# KiCad board V1.1_XT30_version.kicad_pcb (continued)
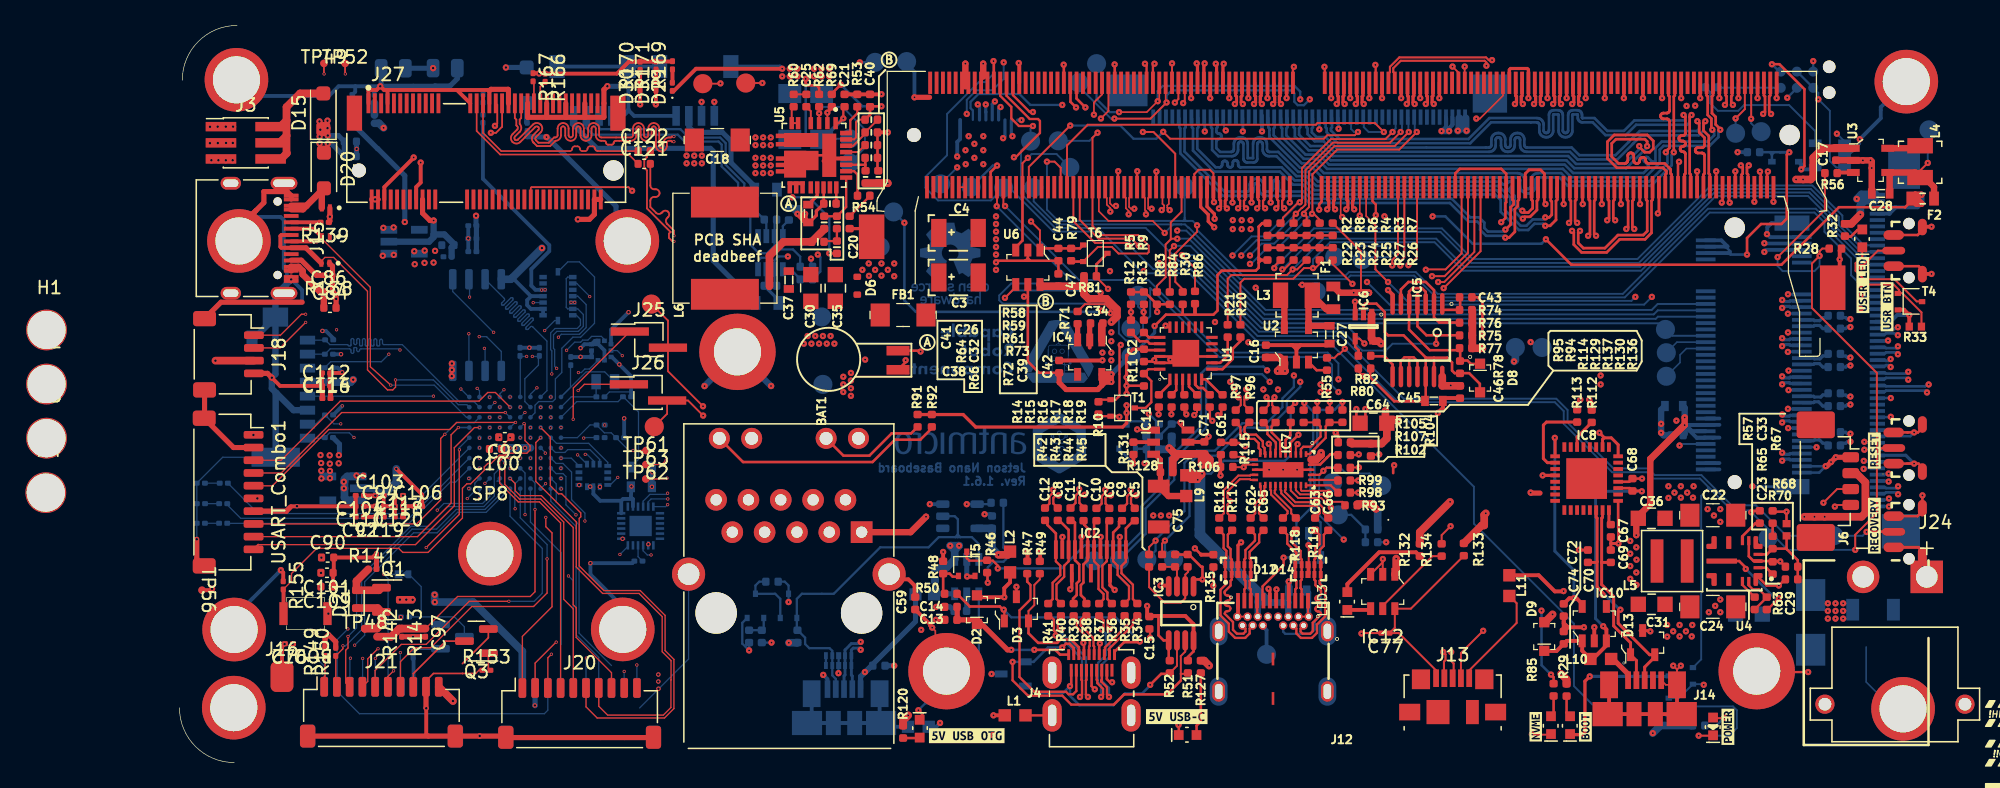
[diagram p0: board, top side]
## Routing (per net, layer and track width the routed paths; a pad name or vN(x,y) marks a point on that pad's centre or on a via; arc(x,y) is an arc through that point) (continued)
PCIE0_TX1_P: length 66.2
  Top w0.25: v1(90.16,43.46) 90.29,43.59 90.29,44.12 90.23,44.19 M1.142
  In3_SIGNAL.Cu w0.185: v1(90.16,43.46) 90.32,43.31 90.32,42.76 91.82,41.25 98.79,41.25 104.94,35.11 109.52,35.11 109.55,35.1 109.58,35.09 109.6,35.08 109.62,35.06 109.64,35.03 109.65,35 109.65,34.98 109.65,34.8 109.66,34.7 109.69,34.62 109.74,34.54 109.81,34.47 109.88,34.42 109.97,34.39 110.06,34.38 110.23,34.38 110.32,34.39 110.41,34.42 110.48,34.47 110.55,34.54 110.6,34.62 110.63,34.7 110.64,34.8 110.64,35.7 110.64,35.73 110.65,35.76 110.67,35.78 110.69,35.8 110.71,35.82 110.74,35.83 110.77,35.83 110.88,35.83 110.91,35.83 110.94,35.82 110.96,35.8 110.98,35.78 111,35.76 111.01,35.73 111.01,35.7 111.01,34.8 111.02,34.7 111.05,34.62 111.1,34.54 111.17,34.47 111.24,34.42 111.33,34.39 111.42,34.38 111.59,34.38 111.68,34.39 111.77,34.42 111.84,34.47 111.91,34.54 111.96,34.62 111.99,34.7 112,34.8 112,35.7 112,35.73 112.01,35.76 112.03,35.78 112.05,35.8 112.07,35.82 112.1,35.83 112.13,35.83 112.24,35.83 112.27,35.83 112.3,35.82 112.32,35.8 112.34,35.78 112.36,35.76 112.37,35.73 112.37,35.7 112.37,34.8 112.38,34.7 112.41,34.62 112.46,34.54 112.53,34.47 112.6,34.42 112.69,34.39 112.78,34.38 112.95,34.38 113.04,34.39 113.13,34.42 113.2,34.47 113.27,34.54 113.32,34.62 113.35,34.7 113.36,34.8 113.36,35.7 113.36,35.73 113.37,35.76 113.39,35.78 113.41,35.8 113.43,35.82 113.46,35.83 113.49,35.83 113.6,35.83 113.63,35.83 113.66,35.82 113.68,35.8 113.7,35.78 113.72,35.76 113.73,35.73 113.73,35.7 113.73,34.8 113.74,34.7 113.77,34.62 113.82,34.54 113.89,34.47 113.96,34.42 114.05,34.39 114.14,34.38 114.31,34.38 114.4,34.39 114.49,34.42 114.56,34.47 114.63,34.54 114.68,34.62 114.71,34.7 114.72,34.8 114.72,35.7 114.72,35.73 114.73,35.76 114.75,35.78 114.77,35.8 114.79,35.82 114.82,35.83 114.85,35.83 114.96,35.83 114.99,35.83 115.02,35.82 115.04,35.8 115.06,35.78 115.08,35.76 115.09,35.73 115.09,35.7 115.09,34.8 115.1,34.7 115.13,34.62 115.18,34.54 115.25,34.47 115.32,34.42 115.41,34.39 115.5,34.38 115.67,34.38 115.76,34.39 115.85,34.42 115.92,34.47 115.99,34.54 116.04,34.62 116.07,34.7 116.08,34.8 116.08,35.7 116.08,35.73 116.09,35.76 116.11,35.78 116.13,35.8 116.15,35.82 116.18,35.83 116.21,35.83 116.32,35.83 116.35,35.83 116.38,35.82 116.4,35.8 116.42,35.78 116.44,35.76 116.45,35.73 116.45,35.7 116.45,34.8 116.46,34.7 116.49,34.62 116.54,34.54 116.61,34.47 116.68,34.42 116.77,34.39 116.86,34.38 117.03,34.38 117.12,34.39 117.21,34.42 117.28,34.47 117.35,34.54 117.4,34.62 117.43,34.7 117.44,34.8 117.46,35.7 117.46,35.73 117.47,35.76 117.48,35.78 117.5,35.8 117.53,35.82 117.56,35.83 117.59,35.83 117.7,35.83 117.73,35.83 117.75,35.82 117.78,35.8 117.8,35.78 117.81,35.76 117.82,35.73 117.83,35.7 117.83,35.52 117.84,35.43 117.87,35.34 117.92,35.26 117.98,35.2 118.06,35.15 118.15,35.12 118.24,35.11 119.99,35.11 123.73,31.36 127.12,31.36 128.28,32.52 129.86,32.52 129.9,32.51 129.94,32.5 129.97,32.48 130,32.45 130.03,32.41 130.04,32.38 130.04,32.33 130.04,32.29 130.05,32.25 130.06,32.21 130.08,32.17 130.11,32.14 130.15,32.12 130.19,32.11 130.23,32.1 130.27,32.11 130.31,32.12 130.34,32.14 130.37,32.17 130.4,32.21 130.41,32.25 130.41,32.29 130.41,32.33 130.42,32.38 130.43,32.41 130.45,32.45 130.48,32.48 130.52,32.5 130.56,32.51 130.6,32.52 131.49,32.52 131.84,32.17 131.84,31.83 131.68,31.66 131.43,31.66 v1(131.27,31.82)
  Bottom w0.25: v1(131.27,31.82) 131.03,31.82 130.91,31.94 130.49,31.94
PCIE0_TX2_N: length 65.5
  Top w0.18: M1.148 86.73,44.24 86.63,44.14 86.63,43.71 v1(86.79,43.55)
  In3_SIGNAL.Cu w0.185: v1(131.27,28.13) 131.43,28.29 131.81,28.29 132.15,28.63 132.15,29.23 131.58,29.81 128.01,29.81 126.9,28.69 123.04,28.69 121.73,30.01 121.73,31.87 119.74,33.85 119.41,33.85 119.37,33.85 119.33,33.87 119.29,33.89 119.26,33.92 119.24,33.95 119.23,33.99 119.22,34.03 119.22,34.3 119.21,34.41 119.18,34.5 119.12,34.59 119.05,34.67 118.96,34.72 118.86,34.76 118.76,34.77 118.7,34.77 118.6,34.76 118.5,34.72 118.41,34.67 118.34,34.59 118.28,34.5 118.25,34.41 118.23,34.3 118.23,33.16 118.23,33.12 118.22,33.08 118.19,33.05 118.16,33.02 118.13,33 118.09,32.98 118.05,32.98 118.01,32.98 117.97,33 117.93,33.02 117.9,33.05 117.88,33.08 117.87,33.12 117.86,33.16 117.86,33.38 117.85,33.49 117.82,33.58 117.76,33.67 117.69,33.75 117.6,33.8 117.5,33.84 117.4,33.85 117.34,33.85 117.24,33.84 117.14,33.8 117.05,33.75 116.98,33.67 116.92,33.58 116.89,33.49 116.87,33.38 116.87,33.16 116.87,33.12 116.86,33.08 116.83,33.05 116.8,33.02 116.77,33 116.73,32.98 116.69,32.98 116.65,32.98 116.61,33 116.57,33.02 116.54,33.05 116.52,33.08 116.51,33.12 116.5,33.16 116.5,33.38 116.49,33.49 116.46,33.58 116.4,33.67 116.33,33.75 116.24,33.8 116.14,33.84 116.04,33.85 116.04,33.85 115.94,33.84 115.84,33.8 115.75,33.75 115.68,33.67 115.62,33.58 115.59,33.49 115.57,33.38 115.57,33.16 115.57,33.12 115.56,33.08 115.53,33.05 115.5,33.02 115.47,33 115.43,32.98 115.39,32.98 115.35,32.98 115.31,33 115.27,33.02 115.24,33.05 115.22,33.08 115.21,33.12 115.2,33.16 115.2,33.38 115.19,33.49 115.16,33.58 115.1,33.67 115.03,33.75 114.94,33.8 114.84,33.84 114.74,33.85 114.74,33.85 114.64,33.84 114.54,33.8 114.45,33.75 114.38,33.67 114.32,33.58 114.29,33.49 114.27,33.38 114.27,33.16 114.27,33.12 114.26,33.08 114.23,33.05 114.2,33.02 114.17,33 114.13,32.98 114.09,32.98 114.05,32.98 114.01,33 113.97,33.02 113.94,33.05 113.92,33.08 113.91,33.12 113.9,33.16 113.9,33.38 113.89,33.49 113.86,33.58 113.8,33.67 113.73,33.75 113.64,33.8 113.54,33.84 113.44,33.85 113.44,33.85 113.34,33.84 113.24,33.8 113.15,33.75 113.08,33.67 113.02,33.58 112.99,33.49 112.97,33.38 112.97,33.16 112.97,33.12 112.96,33.08 112.93,33.05 112.9,33.02 112.87,33 112.83,32.98 112.79,32.98 112.75,32.98 112.71,33 112.67,33.02 112.64,33.05 112.62,33.08 112.61,33.12 112.6,33.16 112.6,33.38 112.59,33.49 112.56,33.58 112.5,33.67 112.43,33.75 112.34,33.8 112.24,33.84 112.14,33.85 105.36,33.85 98.47,40.74 98.41,40.74 98.38,40.77 88.96,40.77 86.63,43.1 86.63,43.39 v1(86.79,43.55)
  Bottom w0.25: 130.49,28.01 130.91,28.01 131.03,28.13 v1(131.27,28.13)
PCIE0_TX2_P: length 65.2
  Top w0.18: v1(86.16,43.55) 86.32,43.71 86.32,44.14 86.23,44.24 86.23,45.2
  In3_SIGNAL.Cu w0.185: 116.05,33.53 116.09,33.52 116.12,33.5 116.15,33.47 116.18,33.43 116.19,33.39 116.19,33.35 116.19,33.13 116.21,33.03 116.24,32.93 116.3,32.84 116.37,32.77 116.46,32.71 116.56,32.68 116.66,32.67 116.72,32.67 116.82,32.68 116.92,32.71 117.01,32.77 117.08,32.84 117.14,32.93 117.17,33.03 117.18,33.13 117.18,33.35 117.19,33.39 117.2,33.43 117.22,33.47 117.25,33.5 117.29,33.52 117.33,33.53 117.37,33.54 117.41,33.53 117.45,33.52 117.48,33.5 117.51,33.47 117.54,33.43 117.55,33.39 117.55,33.35 117.55,33.13 117.57,33.03 117.6,32.93 117.66,32.84 117.73,32.77 117.82,32.71 117.92,32.68 118.02,32.67 118.08,32.67 118.18,32.68 118.28,32.71 118.37,32.77 118.44,32.84 118.5,32.93 118.53,33.03 118.54,33.13 118.54,34.27 118.55,34.31 118.56,34.35 118.58,34.39 118.61,34.42 118.65,34.44 118.69,34.45 118.73,34.46 118.77,34.45 118.81,34.44 118.84,34.42 118.87,34.39 118.9,34.35 118.91,34.31 118.91,34.27 118.91,34 118.93,33.9 118.96,33.8 119.02,33.71 119.09,33.64 119.18,33.58 119.28,33.55 119.38,33.54 119.62,33.54 121.42,31.74 121.42,29.88 122.91,28.38 127.09,28.38 128.2,29.5 129.27,29.5 129.3,29.49 129.33,29.48 129.35,29.47 129.37,29.45 129.39,29.43 129.39,29.4 129.4,29.35 129.41,29.32 129.42,29.3 129.44,29.28 129.47,29.26 129.49,29.25 129.52,29.25 129.64,29.25 129.67,29.25 129.7,29.26 129.72,29.28 129.74,29.3 129.76,29.32 129.76,29.35 129.77,29.4 129.78,29.43 129.79,29.45 129.81,29.47 129.84,29.48 129.86,29.49 129.89,29.5 131.45,29.5 131.84,29.1 131.84,28.76 131.68,28.6 131.43,28.6 v1(131.27,28.75) ; v1(86.16,43.55) 86.32,43.39 86.32,42.97 88.86,40.43 98.35,40.43 105.24,33.54 112.11,33.54 112.15,33.53 112.19,33.52 112.22,33.5 112.25,33.47 112.28,33.43 112.29,33.39 112.29,33.35 112.29,33.13 112.31,33.03 112.34,32.93 112.4,32.84 112.47,32.77 112.56,32.71 112.66,32.68 112.76,32.67 112.82,32.67 112.92,32.68 113.02,32.71 113.11,32.77 113.18,32.84 113.24,32.93 113.27,33.03 113.28,33.13 113.28,33.35 113.29,33.39 113.3,33.43 113.32,33.47 113.35,33.5 113.39,33.52 113.43,33.53 ; 116.03,33.53 115.99,33.52 115.95,33.5 115.92,33.47 115.9,33.43 115.89,33.39 115.88,33.35 115.88,33.13 115.87,33.03 115.84,32.93 115.78,32.84 115.71,32.77 115.62,32.71 115.52,32.68 115.42,32.67 115.36,32.67 115.26,32.68 115.16,32.71 115.07,32.77 115,32.84 114.94,32.93 114.91,33.03 114.89,33.13 114.89,33.35 114.89,33.39 114.88,33.43 114.85,33.47 114.82,33.5 114.79,33.52 114.75,33.53 ; 113.45,33.53 113.49,33.52 113.52,33.5 113.55,33.47 113.58,33.43 113.59,33.39 113.59,33.35 113.59,33.13 113.61,33.03 113.64,32.93 113.7,32.84 113.77,32.77 113.86,32.71 113.96,32.68 114.06,32.67 114.12,32.67 114.22,32.68 114.32,32.71 114.41,32.77 114.48,32.84 114.54,32.93 114.57,33.03 114.58,33.13 114.58,33.35 114.59,33.39 114.6,33.43 114.62,33.47 114.65,33.5 114.69,33.52 114.73,33.53
  Bottom w0.25: v1(131.27,28.75) 131.03,28.75 130.91,28.87 130.49,28.87
PCIE0_TX3_N: length 66
  Top w0.18: 85.23,45.2 85.23,44.24 85.13,44.14 85.13,43.71 v1(85.29,43.55)
  In3_SIGNAL.Cu w0.18: 108.44,32.64 108.44,31.69 108.44,31.68 108.44,31.67
  In3_SIGNAL.Cu w0.185: 108.44,31.67 108.43,31.64 108.41,31.62 108.39,31.59 108.36,31.58 108.33,31.57 108.3,31.56 108.21,31.56 108.18,31.57 108.15,31.58 108.12,31.59 108.1,31.62 108.09,31.64 108.07,31.67 108.07,31.71 108.07,32.64 108.06,32.73 108.03,32.82 107.98,32.91 107.91,32.97 107.83,33.02 107.74,33.06 107.64,33.07 107.51,33.07 107.41,33.06 107.32,33.02 107.24,32.97 107.17,32.91 107.12,32.82 107.09,32.73 107.08,32.64 107.08,31.71 107.08,31.67 107.07,31.64 107.05,31.62 107.03,31.59 107,31.58 106.97,31.57 106.94,31.56 106.85,31.56 106.82,31.57 106.79,31.58 106.76,31.59 106.74,31.62 106.73,31.64 106.71,31.67 106.71,31.71 106.71,31.89 106.7,31.98 106.67,32.07 106.62,32.15 106.55,32.22 106.47,32.27 106.38,32.3 106.28,32.31 105.52,32.31 97.99,39.85 96.87,39.85 96.87,39.85 96.22,39.85 96.22,39.85 88.43,39.85 85.13,43.15 85.13,43.39 v1(85.29,43.55) ; 108.44,32.64 108.45,32.73 108.48,32.82 108.54,32.91 108.6,32.97 108.68,33.02 108.77,33.06 108.87,33.07 109,33.07 109.1,33.06 109.19,33.02 109.27,32.97 109.34,32.91 109.39,32.82 109.42,32.73 109.43,32.64 109.43,32.46 109.44,32.43 109.45,32.4 109.46,32.37 109.49,32.35 109.51,32.33 109.54,32.32 109.58,32.31 119.36,32.31 120.69,30.98 120.69,28.82 124.04,25.47 126.65,25.47 128.1,26.91 131.55,26.91 132.15,26.31 132.15,25.71 131.81,25.37 131.43,25.37 v1(131.27,25.21)
  Bottom w0.25: 130.49,25.09 130.91,25.09 131.03,25.21 v1(131.27,25.21)
PCIE0_TX3_P: length 67
  Top w0.18: v1(84.66,43.55) 84.82,43.71 84.82,44.14 84.73,44.24 M1.156
  In3_SIGNAL.Cu w0.18: 108.76,32.64 108.76,31.68 ; 108.76,31.68 108.75,31.68 ; 108.76,31.68 108.76,32.61 108.75,32.61
  In3_SIGNAL.Cu w0.185: 108.75,31.68 108.74,31.58 108.71,31.49 108.66,31.41 108.59,31.34 108.51,31.29 108.42,31.26 108.32,31.25 108.19,31.25 108.09,31.26 108,31.29 107.92,31.34 107.85,31.41 107.8,31.49 107.77,31.58 107.76,31.68 107.76,32.61 107.76,32.64 107.75,32.68 107.73,32.7 107.71,32.73 107.68,32.74 107.65,32.75 107.62,32.76 107.53,32.76 107.5,32.75 107.47,32.74 107.44,32.73 107.42,32.7 107.41,32.68 107.39,32.64 107.39,32.61 107.39,31.68 107.38,31.58 107.35,31.49 107.3,31.41 107.23,31.34 107.15,31.29 107.06,31.26 106.96,31.25 106.83,31.25 106.73,31.26 106.64,31.29 106.56,31.34 106.49,31.41 106.44,31.49 106.41,31.58 106.4,31.68 106.4,31.86 106.4,31.89 106.39,31.92 106.37,31.95 106.35,31.97 106.32,31.99 106.29,32 106.26,32 105.4,32 97.86,39.54 96.74,39.54 96.74,39.54 96.35,39.54 96.35,39.54 88.3,39.54 84.82,43.02 84.82,43.39 v1(84.66,43.55) ; v1(131.27,25.83) 131.43,25.68 131.68,25.68 131.84,25.84 131.84,26.18 131.45,26.58 130.45,26.58 130.41,26.57 130.37,26.56 130.34,26.54 130.31,26.51 130.29,26.47 130.27,26.43 130.27,26.39 130.27,26.33 130.26,26.29 130.25,26.25 130.23,26.22 130.2,26.19 130.16,26.17 130.13,26.15 130.08,26.15 130.04,26.15 130,26.17 129.97,26.19 129.94,26.22 129.92,26.25 129.9,26.29 129.9,26.33 129.9,26.39 129.89,26.43 129.88,26.47 129.86,26.51 129.83,26.54 129.79,26.56 129.76,26.57 129.71,26.58 128.2,26.58 126.78,25.16 123.91,25.16 120.38,28.69 120.38,30.85 119.23,32 109.55,32 109.45,32.01 109.36,32.05 109.28,32.1 109.22,32.17 109.16,32.25 109.13,32.34 109.12,32.43 109.12,32.61 109.12,32.64 109.11,32.68 109.09,32.7 109.07,32.73 109.04,32.74 109.01,32.75 108.98,32.76 108.9,32.76 108.86,32.75 108.83,32.74 108.81,32.73 108.78,32.7 108.77,32.68 108.76,32.64 108.75,32.61
  Bottom w0.25: v1(131.27,25.83) 131.03,25.83 130.91,25.95 130.49,25.95
PCIE1_CLK_N: length 87.7
  Top w0.138: J27.49 26.85,50.63 26.73,50.51 26.73,50.17 arc(26.85,49.86) 26.73,49.56 26.35,49.18 arc(26.3,49.06) 26.35,48.94 arc(26.47,48.89) 26.59,48.94 27.77,50.12 arc(28.07,50.25) 28.38,50.12 arc(28.5,49.81) 28.38,49.51 28,49.13 arc(27.95,49.01) 28,48.9 28.2,48.7 29.01,48.7 29.43,49.11 29.54,49.11 arc(29.66,49.16) 29.71,49.28 29.71,49.81 arc(29.83,50.12) 30.14,50.24 arc(30.44,50.12) 30.57,49.81 30.57,49.28 arc(30.62,49.16) 30.74,49.11 arc(30.86,49.16) 30.91,49.28 30.91,49.81 arc(31.03,50.12) 31.34,50.24 arc(31.64,50.12) 31.77,49.81 31.77,49.28 arc(31.82,49.16) 31.94,49.11 arc(32.06,49.16) 32.11,49.28 32.11,49.81 arc(32.23,50.12) 32.54,50.24 arc(32.84,50.12) 32.97,49.81 32.97,49.28 arc(33.02,49.16) 33.14,49.11 35.46,49.11 arc(35.58,49.16) 35.63,49.28 35.63,49.81 arc(35.75,50.12) 36.06,50.24 arc(36.37,50.12) 36.49,49.81 36.49,49.28 arc(36.54,49.16) 36.66,49.11 arc(36.78,49.16) 36.83,49.28 36.83,49.81 arc(36.95,50.12) 37.26,50.24 arc(37.57,50.12) 37.69,49.81 37.69,48.45 arc(37.74,48.33) 37.86,48.28 arc(37.98,48.33) 38.03,48.45 38.03,48.68 arc(38.15,48.99) 38.46,49.11 38.61,49.11 38.68,49.17 38.83,49.17
  Top w0.25: M1.173 80.48,54.87 v1(80.54,54.93)
  In3_SIGNAL.Cu w0.138: 63.34,51.71 v1(63.34,51.7) 63.16,51.88 63.16,51.89 62.9,52.15 62.53,52.15 62.35,51.97 58.13,51.97 57.26,51.09 52.7,51.09 52.03,51.77 44.93,51.77 43.98,50.81 arc(43.86,50.76) 43.74,50.81 43.38,51.17 arc(43.08,51.29) 42.77,51.17 arc(42.64,50.86) 42.77,50.56 43.91,49.42 arc(43.96,49.3) 43.91,49.18 arc(43.79,49.13) 43.67,49.18 42.53,50.32 arc(42.23,50.44) 41.92,50.32 arc(41.8,50.01) 41.92,49.71 42.28,49.35 arc(42.33,49.23) 42.28,49.11 41.58,49.11 arc(41.46,49.16) 41.41,49.28 41.41,49.79 arc(41.29,50.09) 40.98,50.22 arc(40.67,50.09) 40.55,49.79 40.55,48.59 arc(40.51,48.5) 40.42,48.46 40.34,48.46 arc(40.25,48.5) 40.21,48.59 40.21,49.79 arc(40.09,50.09) 39.78,50.22 arc(39.47,50.09) 39.35,49.79 39.35,49.28 arc(39.3,49.16) 39.18,49.11 39.07,49.11 39,49.17 38.85,49.17
  In5_3V3_SYS_SIGNAL.Cu w0.195: v1(63.34,51.7) 63.19,51.86 63.19,52.67 64.32,53.8 79.88,53.8 80.39,54.31 80.39,54.78 v1(80.54,54.93)
  Bottom w0.25: 63.35,50.49 63.35,51.12 63.34,51.13 v1(63.34,51.7)
  vias: v4(38.84,49.18)
PCIE1_CLK_P: length 87.7
  Top w0.138: 38.83,48.79 38.68,48.79 38.61,48.85 38.46,48.85 arc(38.34,48.8) 38.29,48.68 38.29,48.45 arc(38.17,48.14) 37.86,48.02 arc(37.55,48.14) 37.43,48.45 37.43,49.81 arc(37.38,49.93) 37.26,49.98 arc(37.14,49.93) 37.09,49.81 37.09,49.28 arc(36.97,48.97) 36.66,48.85 arc(36.35,48.97) 36.23,49.28 36.23,49.81 arc(36.18,49.93) 36.06,49.98 arc(35.94,49.93) 35.89,49.81 35.89,49.28 arc(35.77,48.97) 35.46,48.85 34.27,48.85 arc(34.16,48.8) 34.11,48.69 arc(34.07,48.59) 33.96,48.54 33.67,48.54 arc(33.56,48.59) 33.51,48.69 arc(33.47,48.8) 33.36,48.85 33.14,48.85 arc(32.83,48.97) 32.71,49.28 32.71,49.81 arc(32.66,49.93) 32.54,49.98 arc(32.42,49.93) 32.37,49.81 32.37,49.28 arc(32.24,48.97) 31.94,48.85 arc(31.63,48.97) 31.51,49.28 31.51,49.81 arc(31.46,49.93) 31.34,49.98 arc(31.22,49.93) 31.17,49.81 31.17,49.28 arc(31.04,48.97) 30.74,48.85 arc(30.43,48.97) 30.31,49.28 30.31,49.81 arc(30.26,49.93) 30.14,49.98 arc(30.02,49.93) 29.97,49.81 29.97,49.28 arc(29.84,48.97) 29.54,48.85 29.12,48.43 28.09,48.43 27.81,48.71 arc(27.69,49.01) 27.81,49.32 28.19,49.7 arc(28.24,49.81) 28.19,49.93 arc(28.07,49.98) 27.95,49.93 26.78,48.76 arc(26.47,48.63) 26.17,48.76 arc(26.04,49.06) 26.17,49.37 26.54,49.74 arc(26.59,49.86) 26.54,49.98 26.46,50.06 26.46,50.51 26.35,50.63 J27.47
  Top w0.25: M1.175 79.98,54.87 v1(79.91,54.93)
  In3_SIGNAL.Cu w0.125: 62.68,51.67 v1(62.72,51.7)
  In3_SIGNAL.Cu w0.138: v1(62.72,51.7) 58.24,51.7 57.36,50.83 52.6,50.83 51.92,51.5 45.04,51.5 44.16,50.62 arc(43.86,50.5) 43.55,50.62 43.2,50.98 arc(43.08,51.03) 42.96,50.98 arc(42.91,50.86) 42.96,50.74 44.1,49.6 arc(44.22,49.3) 44.1,48.99 arc(43.79,48.87) 43.49,48.99 42.35,50.13 arc(42.23,50.18) 42.11,50.13 arc(42.06,50.01) 42.11,49.89 42.47,49.54 arc(42.59,49.23) 42.47,48.93 42.39,48.85 41.58,48.85 arc(41.27,48.97) 41.15,49.28 41.15,49.79 arc(41.1,49.9) 40.98,49.95 arc(40.86,49.9) 40.81,49.79 40.81,48.59 arc(40.7,48.31) 40.42,48.2 40.34,48.2 arc(40.06,48.31) 39.95,48.59 39.95,49.79 arc(39.9,49.9) 39.78,49.95 arc(39.66,49.9) 39.61,49.79 39.61,49.28 arc(39.49,48.97) 39.18,48.85 39.07,48.85 39,48.79 38.85,48.79
  In5_3V3_SYS_SIGNAL.Cu w0.195: v1(79.91,54.93) 80.07,54.78 80.07,54.44 79.75,54.12 64.19,54.12 62.87,52.81 62.87,51.86 v1(62.72,51.7)
  Bottom w0.25: v1(62.72,51.7) 62.84,51.58 62.84,51.5 62.85,51.49 62.85,50.49
  vias: v4(38.84,48.78)
PCIE1_CLKREQ: length 24.1
  Top w0.125: R167.2 27.85,53.45 J27.53
  Top w0.152: M1.182 78.23,47.83 76.52,49.54 v1(75.69,49.54)
  In5_3V3_SYS_SIGNAL.Cu w0.25: v1(75.69,49.54) 75.13,50.09 70.93,50.09 70.06,50.96
  In5_3V3_SYS_SIGNAL.Cu w0.254: v1(69.35,51.67) 70.06,50.96
  Bottom w0.18: 62.33,50.49 62.33,51.23 62.15,51.41 62.15,51.91 62.76,52.52 65.99,52.52 66.84,51.67 v1(69.35,51.67)
PCIE1_RST: length 64.1
  Top w0.125: J27.52 27.6,45.14 27.66,45.2
  Top w0.138: v1(35.56,44.92) 35.28,45.2 27.66,45.2
  Top w0.152: M1.183 77.98,54.93 v1(77.98,54.93)
  In2.Cu w0.15: 65.15,55.41 v1(64.75,55.01)
  In2.Cu w0.152: 65.15,55.41 77.55,55.41 77.98,54.98 v1(77.98,54.93)
  In3_SIGNAL.Cu w0.138: v1(35.56,44.92) 38.58,41.9 57.06,41.9 57.43,42.27 57.43,46.81 61.58,50.96 v1(61.85,50.96)
  Bottom w0.152: v1(61.85,50.96) 61.85,52.06 62.61,52.82 63.86,52.82 64.75,53.71 v1(64.75,55.01)
PCIE1_RX0_N: length 87.7
  Top w0.138: v1(24.46,49.47) 24.87,49.47 25.35,49.95 J27.43
  Top w0.25: M1.167 81.98,54.84 v1(82.04,54.9)
  In3_SIGNAL.Cu w0.138: v1(65.44,49.21) 65.17,48.95 65.17,47.79 65.12,47.73 65.12,47.37 65.17,47.32 65.17,46.48 59.26,40.56 45.8,40.56 44.71,39.47 38.6,39.47 36.22,37.09 32.99,37.09 30.27,39.81 30.27,43.8 29.07,45 arc(28.94,45.31) 29.07,45.61 29.43,45.98 arc(29.48,46.1) 29.43,46.22 arc(29.32,46.27) 29.2,46.22 28.04,45.06 arc(27.73,44.93) 27.43,45.06 arc(27.3,45.37) 27.43,45.67 28.59,46.83 arc(28.64,46.95) 28.59,47.07 arc(28.47,47.12) 28.35,47.07 27.98,46.7 arc(27.68,46.57) 27.37,46.7 24.6,49.47 v1(24.46,49.47)
  In5_3V3_SYS_SIGNAL.Cu w0.195: v1(82.04,54.9) 81.89,54.75 81.89,53.93 80.69,52.73 65.97,52.73 65.42,52.18 65.42,49.8 65.3,49.69 65.3,49.35 v1(65.44,49.21)
  Bottom w0.25: v1(65.44,49.21) 65.35,49.3 65.35,50.49
PCIE1_RX0_P: length 87.7
  Top w0.138: J27.41 24.96,51.67 24.96,50.2 v1(24.78,50.02)
  Top w0.25: M1.169 81.48,54.84 v1(81.41,54.9)
  In3_SIGNAL.Cu w0.138: v1(24.78,50.02) 24.78,49.78 24.91,49.66 24.91,49.54 27.56,46.89 arc(27.68,46.84) 27.8,46.89 28.16,47.25 arc(28.47,47.38) 28.77,47.25 arc(28.9,46.95) 28.77,46.64 27.61,45.49 arc(27.56,45.37) 27.61,45.25 arc(27.73,45.2) 27.85,45.25 29.01,46.41 arc(29.32,46.53) 29.62,46.41 arc(29.75,46.1) 29.62,45.8 29.25,45.43 arc(29.2,45.31) 29.25,45.19 29.46,44.98 arc(29.67,44.89) 29.89,44.98 30.09,45.18 arc(30.3,45.27) 30.51,45.18 arc(30.6,44.97) 30.51,44.76 30.31,44.56 arc(30.22,44.35) 30.31,44.13 30.53,43.91 30.53,39.91 33.09,37.35 36.11,37.35 38.49,39.73 44.6,39.73 ; v1(64.7,49.05) 64.92,48.83 64.92,47.89 64.87,47.84 64.87,47.27 64.92,47.21 64.92,46.58 59.16,40.81 45.69,40.81 44.61,39.72
  In5_3V3_SYS_SIGNAL.Cu w0.195: v1(64.7,49.05) 64.97,49.32 64.97,49.81 65.1,49.94 65.1,52.31 65.84,53.05 80.56,53.05 81.57,54.06 81.57,54.75 v1(81.41,54.9)
  Bottom w0.25: v1(64.7,49.05) 64.85,49.2 64.85,50.49
PCIE1_TX0_N: length 72.1
  Top w0.138: C122.2 36.73,47.78 36.73,47.56 36.52,47.35 36.52,46.73 36.73,46.52 36.73,43.54 38.58,41.68 38.45,41.55 38.45,41.23 38.68,41 38.79,41 v4(38.85,40.94)
  Top w0.25: v1(81.32,42.72) 81.3,42.74 81.3,43.1 80.73,43.68 M1.172
  In3_SIGNAL.Cu w0.138: v1(64.5,51.5) 64.5,51.14 63.32,49.96 61.29,49.96 60.35,49.02 60.35,48.76 57.94,46.35 57.94,43.4 58.06,43.28 58.06,42.16 56.97,41.07 39.34,41.07 39.22,40.94 v4(38.85,40.94)
  In5_3V3_SYS_SIGNAL.Cu w0.195: v1(81.32,42.72) 81.13,42.53 80.91,42.53 80.51,42.93 80.51,45.93 78.09,48.35 67.38,48.35 67.34,48.35 67.3,48.37 67.26,48.39 67.23,48.42 67.2,48.46 67.19,48.5 67.18,48.55 67.18,48.91 67.18,48.96 67.16,49 67.14,49.04 67.11,49.07 67.07,49.09 67.03,49.11 66.98,49.11 66.94,49.11 66.9,49.09 66.86,49.07 66.83,49.04 66.8,49 66.79,48.96 66.78,48.91 66.78,48.55 66.78,48.5 66.76,48.46 66.74,48.42 66.71,48.39 66.67,48.37 66.63,48.35 66.58,48.35 66.54,48.35 66.5,48.37 66.46,48.39 66.43,48.42 66.4,48.46 66.39,48.5 66.38,48.55 66.38,48.91 66.38,48.96 66.36,49 66.34,49.04 66.31,49.07 66.27,49.09 66.23,49.11 66.18,49.11 66.14,49.11 66.1,49.09 66.06,49.07 66.03,49.04 66,49 65.99,48.96 65.98,48.91 65.98,48.55 65.98,48.5 65.96,48.46 65.94,48.42 65.91,48.39 65.87,48.37 65.83,48.35 65.78,48.35 64.8,48.35 64.74,48.35 63.99,49.1 63.99,50.99 v1(64.5,51.5)
  Bottom w0.25: 64.35,50.49 64.35,51.35 v1(64.5,51.5)
PCIE1_TX0_P: length 71.8
  Top w0.138: v4(38.85,41.39) 38.85,41.79 38.3,42.34 arc(38.21,42.55) 38.3,42.76 38.39,42.85 arc(38.47,43.06) 38.39,43.28 arc(38.17,43.36) 37.96,43.28 37.87,43.19 arc(37.66,43.1) 37.45,43.19 36.99,43.65 36.99,44.14 arc(37.08,44.35) 37.29,44.44 37.42,44.44 arc(37.63,44.53) 37.72,44.74 arc(37.63,44.95) 37.42,45.04 37.29,45.04 arc(37.08,45.13) 36.99,45.34 C121.2
  Top w0.25: v1(81.29,42.05) 81.13,42.22 81.12,42.22 80.82,42.51 80.82,43.05 80.23,43.65 M1.174
  In3_SIGNAL.Cu w0.138: v1(64.06,51.94) 64.06,51.05 63.22,50.21 61.19,50.21 60.1,49.12 60.1,48.87 57.68,46.45 57.68,43.3 57.81,43.17 57.81,42.26 56.87,41.32 39.4,41.32 39.33,41.39 v4(38.85,41.39)
  In5_3V3_SYS_SIGNAL.Cu w0.195: v1(64.06,51.94) 64.03,51.91 64.03,51.56 63.67,51.2 63.67,48.96 64.61,48.03 64.93,48.03 64.93,48.03 77.96,48.03 80.19,45.79 80.19,42.79 80.77,42.21 81.13,42.21 v1(81.29,42.05)
  Bottom w0.25: 63.85,50.49 63.85,51.73 v1(64.06,51.94)
Periph_3V3: length 43.3
  Top w0.138: v4(13.03,54.1) 13.01,54.12 TP52.1
  In5_3V3_SYS_SIGNAL.Cu w0.138: v4(13.03,54.1) 13.03,45.95 16.5,42.48 17.69,42.48 v2(17.7,42.47)
  In5_3V3_SYS_SIGNAL.Cu w0.4: 18.45,39.18 v2(18.48,39.15)
  In5_3V3_SYS_SIGNAL.Cu w0.6: v2(18.45,40.17) 18.45,39.18 ; v2(18.48,39.15) 18.46,39.15 13.65,34.34 v2(13.65,30.08)
  Bottom w0.4: v2(23.3,42.96) 23.3,42.21 C111.1 23.33,41.38 ; 14.93,48.86 D23.2 ; 23.33,41.38 C95.1 ; 23.33,41.38 C113.1 ; 15,48.79 15.57,48.23 15.58,48.23 17.7,46.11 v2(17.7,42.47)
  Bottom w0.6: v2(13.65,30.08) 13.46,29.89 J23.4
  vias: v2(19.26,40.22) v2(19.25,39.26) v2(19.96,39.28) v2(20.08,40.2) v2(21.39,30.36) v2(21.4,31.35) v2(21.4,30.85)
PEX_L0_CLKREQ_N: length 53.7
  Top w0.15: 77.88,41.11 77.47,40.7 77.47,38.14 76.78,37.45 76.78,36.96 ; 77.88,41.11 77.93,41.16 v1(78.39,41.16) ; 77.88,41.11 77.88,42.43 78.73,43.28 78.73,45.2
  Bottom w0.15: v1(78.39,41.16) 79.3,41.16 85.25,35.21 115.82,35.21 116.14,35.53 J7.52
PEX_L0_RST_N: length 61.2
  Top w0.15: 77.8,36.96 77.8,40.24 v1(78.13,40.57) ; v1(78.2,51.85) 78.48,52.13 78.48,53.4
  In2.Cu w0.15: v1(78.2,51.85) 78.25,51.8 78.25,42.61 77.88,42.24 77.88,40.82 v1(78.13,40.57)
  Bottom w0.15: v1(78.13,40.57) 78.16,40.6 79.41,40.6 85.15,34.86 115.98,34.86 116.15,35.03 J7.50
PWR_EN: length 45
  Top w0.15: IC6.4 92.71,33.3 v1(93.09,32.92)
  Top w0.18: v1(67.05,50.01) 65.95,50.01 65.35,50.61 65.35,51.51 64.48,52.38 M1.237
  Top w0.2: IC6.4 92.37,32.66 92.63,32.4 92.63,31.94
  Bottom w0.15: v1(93.09,32.92) 91.85,34.16 84.95,34.16 79.7,39.41 78.5,39.41 75.91,42 68.8,42 66.11,44.7 66.11,48.07 TP12.1 66.86,49.82 v1(67.05,50.01)
PWR_GOOD: length 112.5
  Top w0.15: 92.61,30.9 92.61,30.75 v1(93,30.36) ; U5.2 v1(50.9,51.06)
  Top w0.2: R69.2 51.25,51.41 v1(50.9,51.06)
  In3_SIGNAL.Cu w0.2: v1(56.95,42.41) 56.95,43.11 50.9,49.16 v1(50.9,51.06)
  In5_3V3_SYS_SIGNAL.Cu w0.125: v1(83.97,33.02) 83.97,33.06 87.55,36.64 87.55,37.91 88,38.36 88,40.01 87.7,40.31 82.55,40.31 78.45,36.21 73.15,36.21 v1(72.45,35.51)
  Bottom w0.15: v1(83.97,33.02) 84.18,32.81 90.55,32.81 v1(93,30.36) 101.69,21.67 101.69,18.77 109.55,10.91 109.55,6.01 111.8,3.76 T3.1
  Bottom w0.18: v1(56.95,42.41) TP35.1
  Bottom w0.2: v1(56.95,42.41) 56.95,36.31 57.85,35.41 72.35,35.41 v1(72.45,35.51)
System_4V5: length 8.2
  Bottom w0.4: v2(11.65,49.26) 12.48,49.26 C83.1 12.94,47.64 C82.1 11.93,48.63 v2(11.65,48.63)
  Bottom w0.6: U10.3 13.17,20.6 12.96,20.81 12.96,21.5 v2(12.92,21.54) 12.96,21.58 12.96,22.01 v2(12.91,22.06) 12.96,22.11 12.96,22.27 13.17,22.48 U10.1
  vias: v2(11,50.37) v2(11.07,49.72) v2(11.01,49.18) v2(11.01,48.63) v2(11.63,50.43) v2(11.63,49.84) v2(13.91,22.55) v2(14.44,22.54) v2(15.97,39.82) v2(16.02,42.01) v2(16.82,42.04) v2(16.83,39.89)
